# Altium PCB 400389.PcbDoc (part 1 of 8)
Units mm, origin at the board's own origin, x right, y up, seen from the top; angles counter-clockwise.
Board outline 155 x 63.5 mm, 4 copper layers (Top Layer, Mid-Layer 1, Mid-Layer 2, Bottom Layer), stack 1.54 mm thick; 437 components, 325 nets, 2173 pads, 2226 vias.
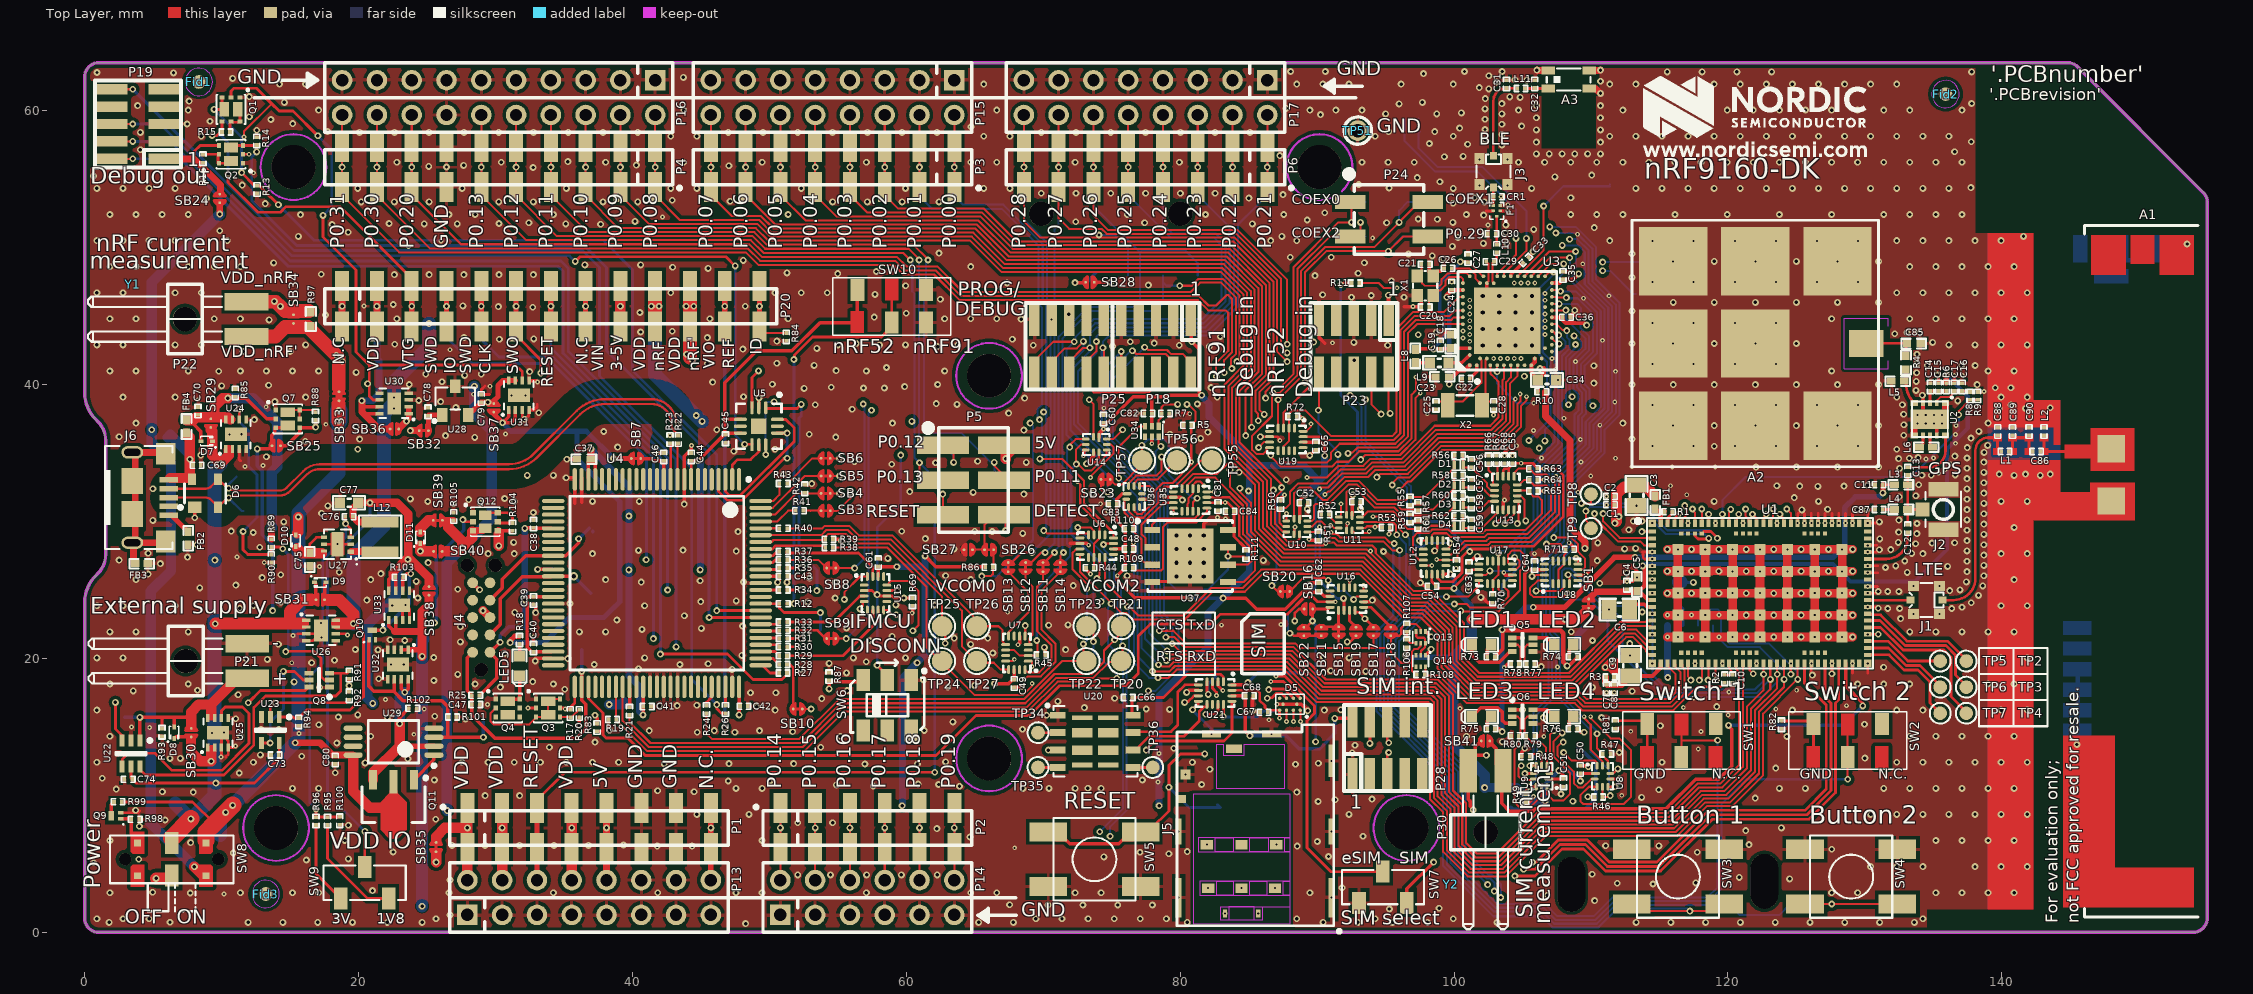
[diagram p0: Top Layer view]
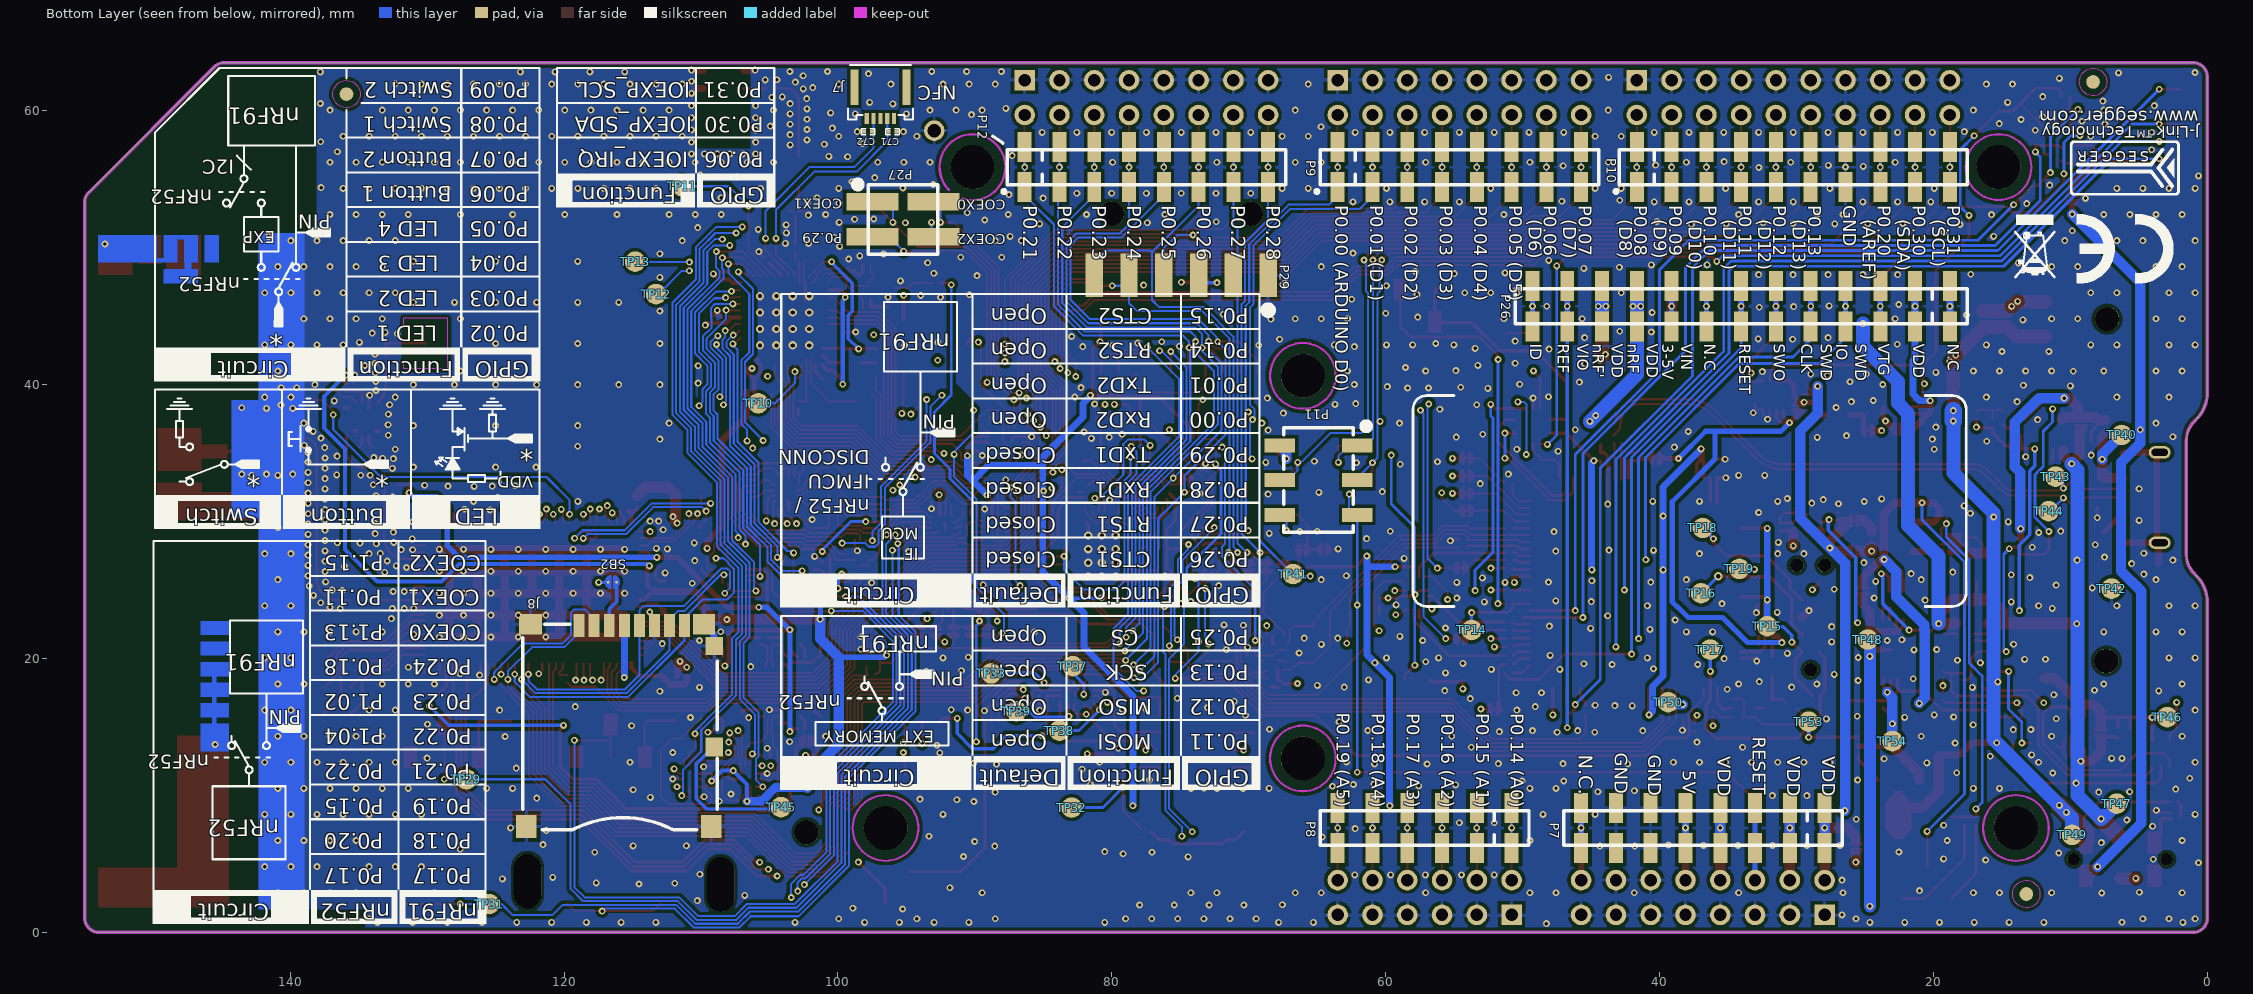
[diagram p1: Bottom Layer view, seen from below]
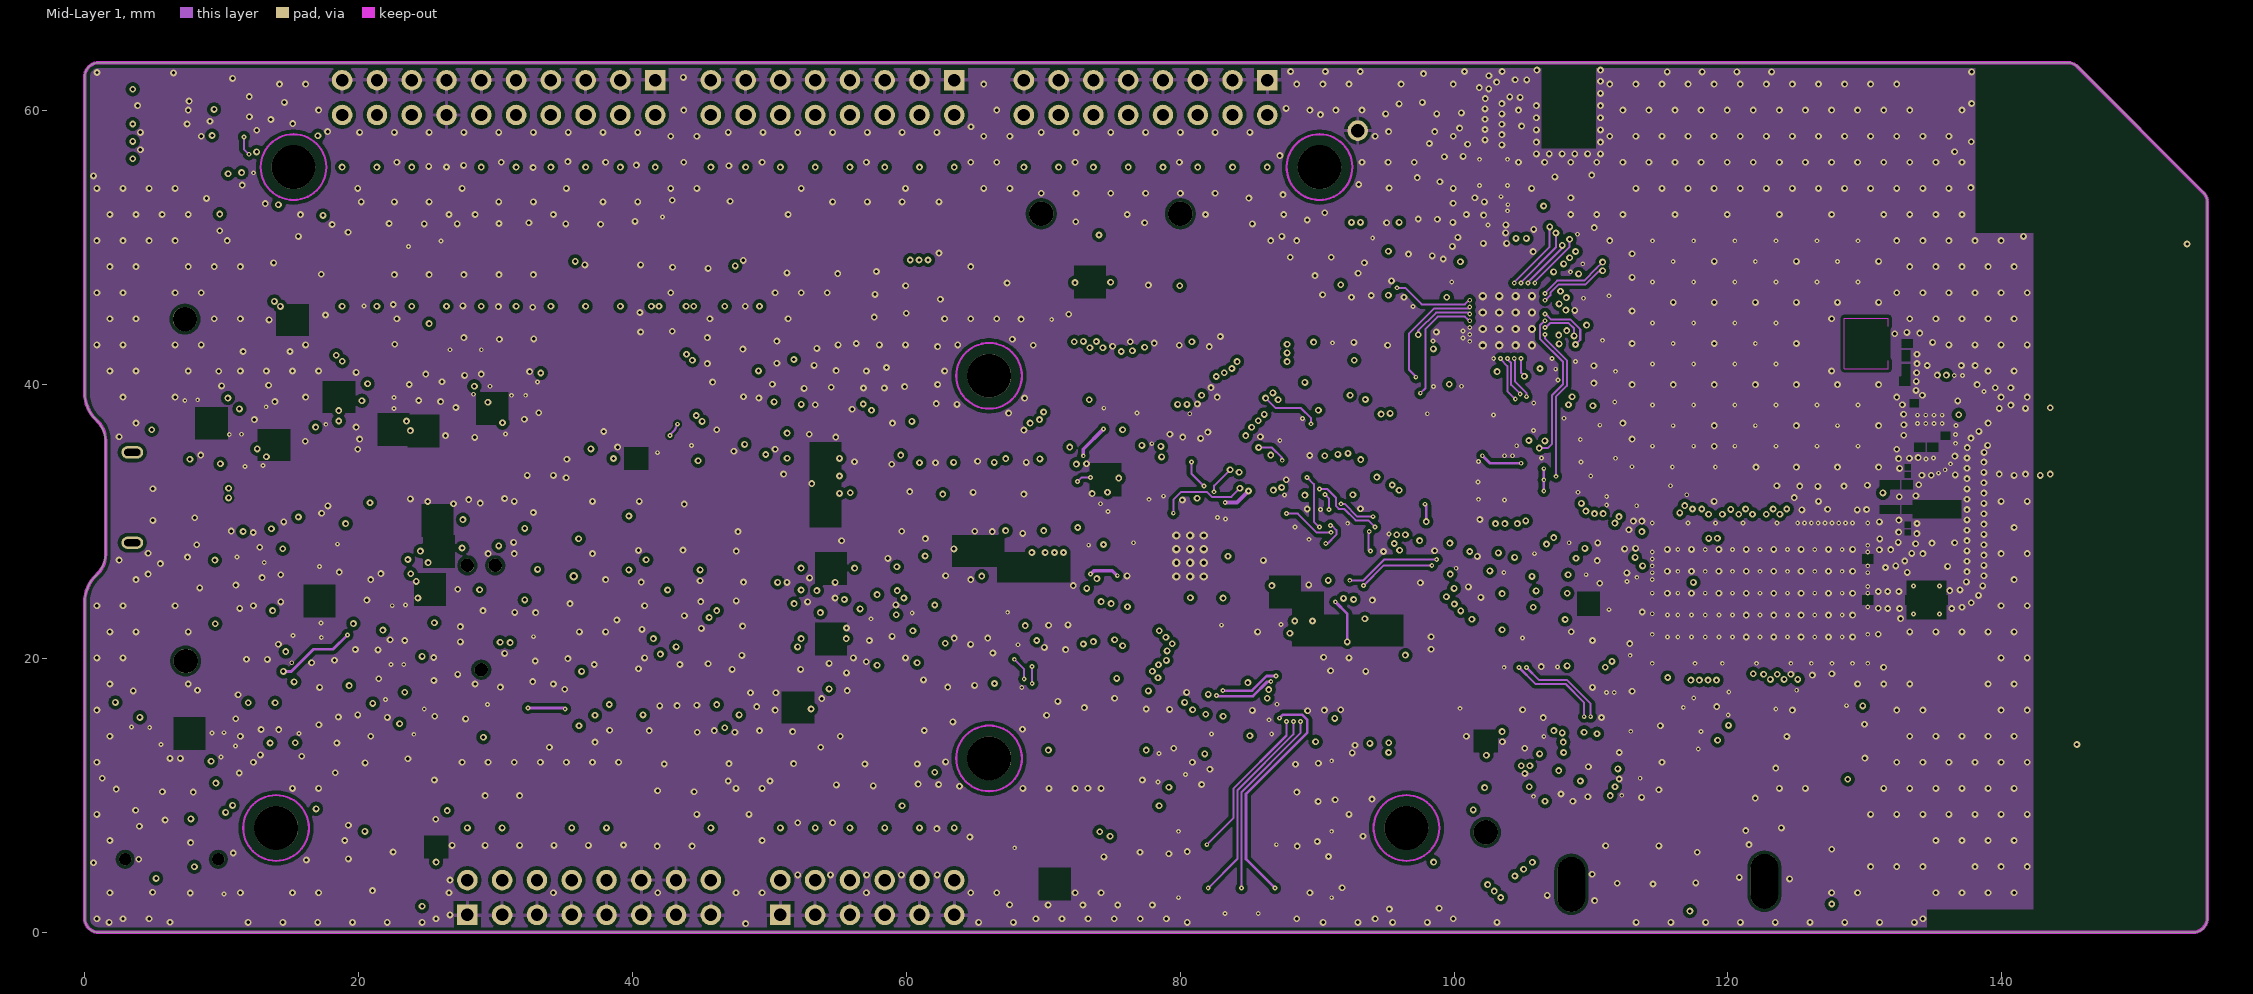
[diagram p2: Mid-Layer 1]
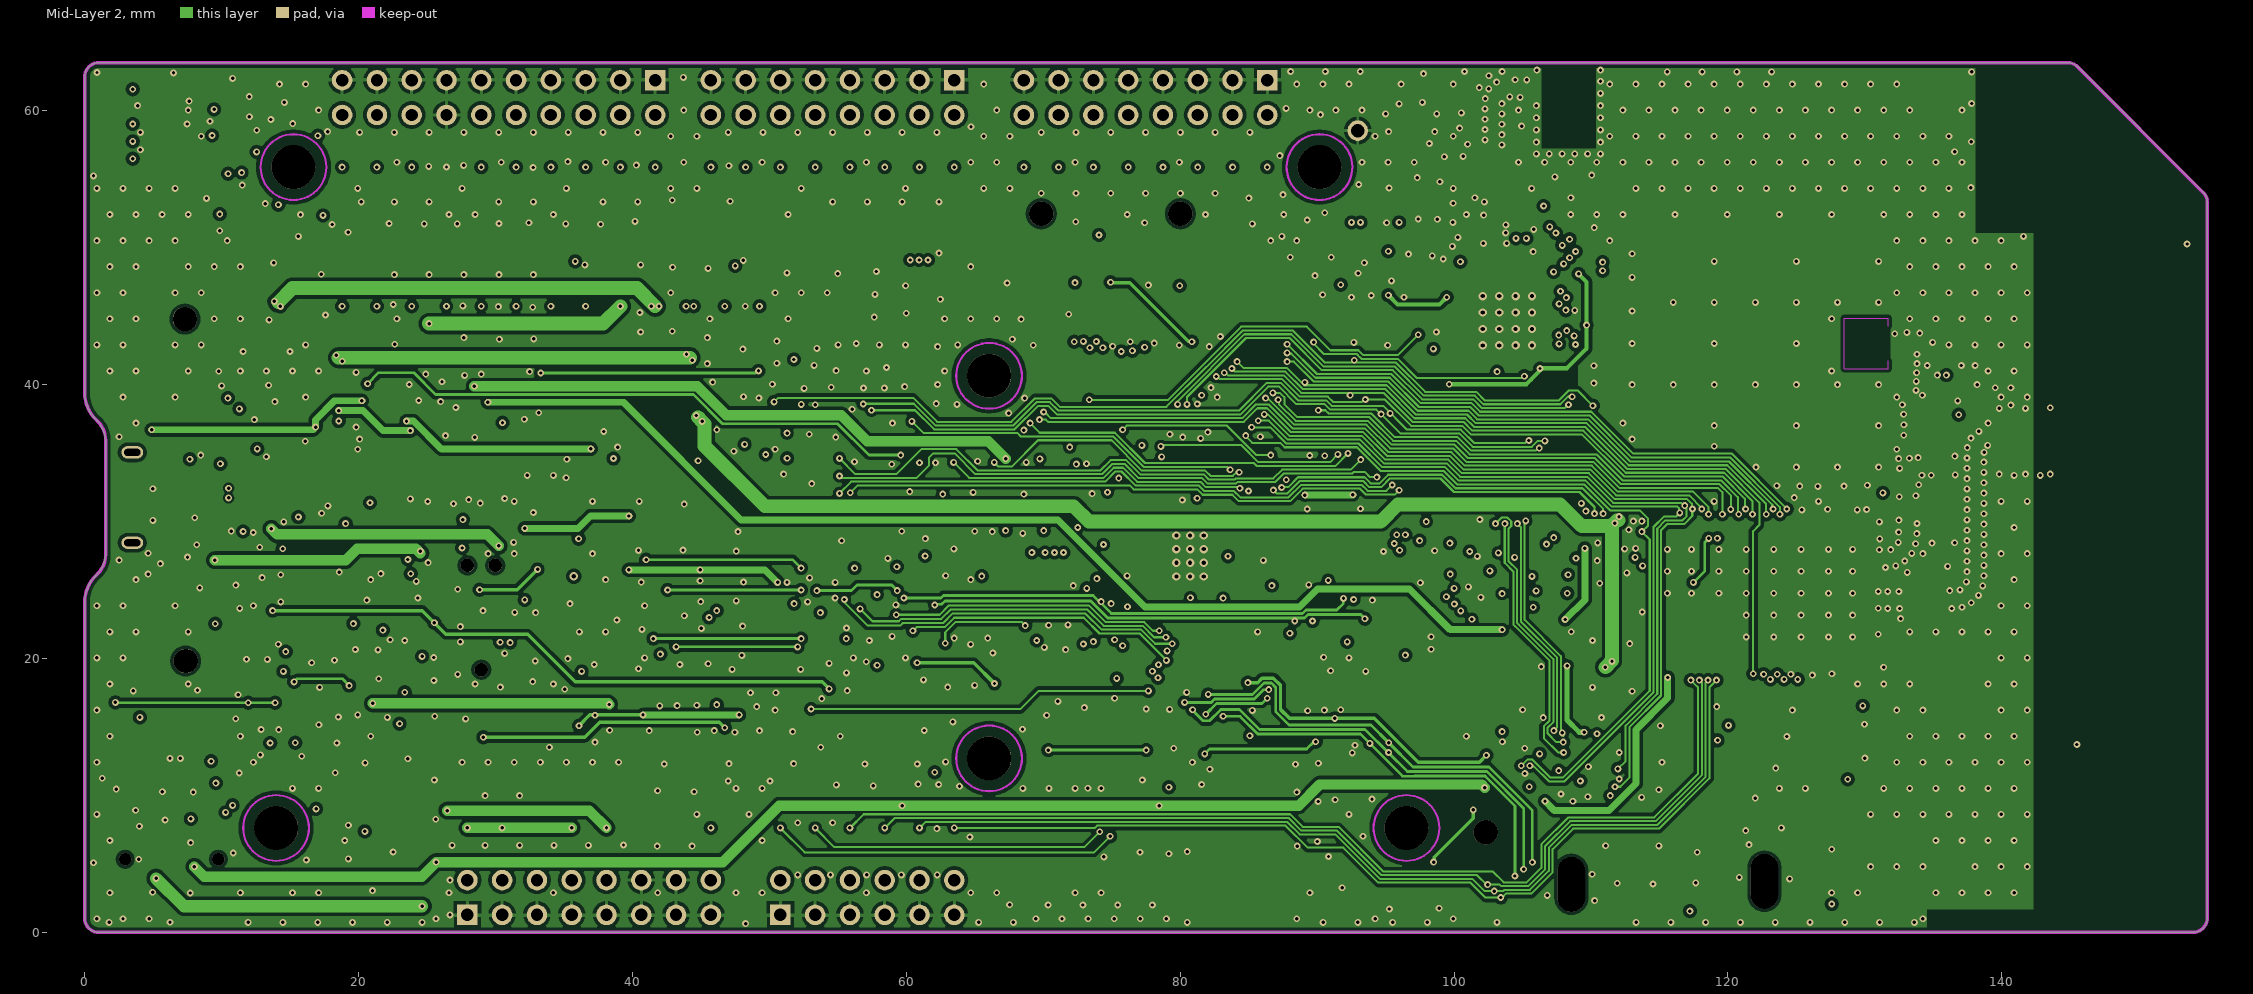
[diagram p3: Mid-Layer 2]
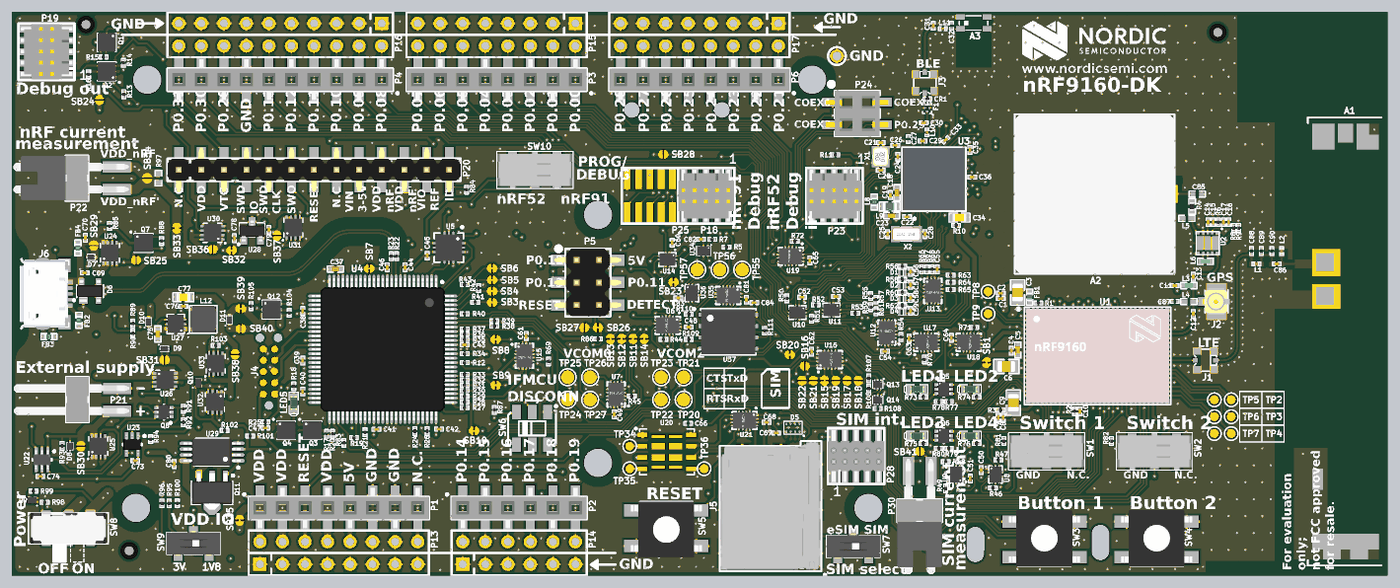
[diagram p11: 3D render of the assembled board from above, using the file's embedded part models]

## Layer stack, top to bottom
Top Solder: solder mask 0.05, Solder Resist, Dk 3.5
Top Layer: signal copper 0.053
Dielectric1: prepreg 0.072, FR-4, Dk 4.18
Mid-Layer 1: signal copper 0.03
Dielectric2: core 1.23, FR-4, Dk 4.74
Mid-Layer 2: signal copper 0.03
Dielectric3: prepreg 0.072, FR-4, Dk 4.18
Bottom Layer: signal copper 0.053
Bottom Solder: solder mask 0.05, Solder Resist, Dk 3.5

## Board outline
0,1 0,24.121 cw(c2.717,24.121) 0.796,26.042 0.962,26.208 ccw(c-0.876,27.751) 1.524,27.751 1.524,35.751 ccw(c-0.876,35.751) 0.962,37.294 0.796,37.46 cw(c2.717,39.381) 0,39.381 0,62.5 cw(c1,62.5) 1,63.5 144.829,63.5 144.829,63.501 cw(c144.829,62.485) 145.547,63.203 145.553,63.209 154.702,54.06 cw(c153.984,53.342) 155,53.342 155,1 cw(c154,1) 154,0 1,0 cw(c1,1)

## Design rules (kind name [scope] priority, off if disabled: settings)
Clearance USB_Poly_Clearance [(InNamedPolygon('Top_Layer-GND')) vs (IsTrack or IsArc) and (InDifferentialPair('D') or InDifferentialPair('USB0'))] p1: gap=1.397 ignorepadtopadclearanceinfootprint=FALSE
Clearance "NPTH clearance" [Not PadIsPlated And HoleSize > 0] p2: gap=0.229 ignorepadtopadclearanceinfootprint=FALSE except(0: Arc-Hole Track-Hole SMDPad-Hole THPad-Hole Via-Hole Fill-Hole Poly-Hole Region-Hole Text-Hole)
Clearance USB_Clearance [(InDifferentialPairClass('All Differential Pairs'))] p3: gap=0.152 ignorepadtopadclearanceinfootprint=FALSE except(0: Arc-Hole Track-Hole SMDPad-Hole THPad-Hole Via-Hole Fill-Hole Poly-Hole Region-Hole Text-Hole)
Clearance ANT_Clerance [InNet('ANT') or InNet('RF')] p4: gap=0.203 ignorepadtopadclearanceinfootprint=FALSE except(0: Arc-Hole Track-Hole SMDPad-Hole THPad-Hole Via-Hole Fill-Hole Poly-Hole Region-Hole Text-Hole)
Clearance Polygon_Clearance [(InNamedPolygon('Top_Layer-GND')) or (InNamedPolygon('Bottom_Layer-GND')) or (InNamedPolygon('Mid_Layer_1-GND')) or (InNamedPolygon('Mid_Layer_2-GND'))] p5: gap=0.254 ignorepadtopadclearanceinfootprint=FALSE except(0: Arc-Hole Track-Hole SMDPad-Hole THPad-Hole Via-Hole Fill-Hole Poly-Hole Region-Hole Text-Hole)
Clearance SB_Clearance [HasFootprint('Solderbridge') or HasFootprint('QFN40P180X140X55-10N')] p6: gap=0.127 ignorepadtopadclearanceinfootprint=FALSE except(0: Arc-Hole Track-Hole SMDPad-Hole THPad-Hole Via-Hole Fill-Hole Poly-Hole Region-Hole Text-Hole)
Clearance CSP_Clearance [HasFootprint('BGA4C40P2X2_76X76X62')] p7: gap=0.127 ignorepadtopadclearanceinfootprint=FALSE except(0: Arc-Hole Track-Hole SMDPad-Hole THPad-Hole Via-Hole Fill-Hole Poly-Hole Region-Hole Text-Hole)
Clearance P23_Clearance [HasFootprint('FPC_05P-0.5mm-RA-SMD')] p8: gap=0.127 ignorepadtopadclearanceinfootprint=FALSE except(0: Arc-Hole Track-Hole SMDPad-Hole THPad-Hole Via-Hole Fill-Hole Poly-Hole Region-Hole Text-Hole)
Clearance PSON35P100X50-8N_Clearance [HasFootprint('PSON35P100X50-8N')] p9: gap=0.15 ignorepadtopadclearanceinfootprint=FALSE except(0: Arc-Hole Track-Hole SMDPad-Hole THPad-Hole Via-Hole Fill-Hole Poly-Hole Region-Hole Text-Hole)
Clearance Top_layer_Clearance [All vs OnLayer('Top Layer')] p10: gap=0.125 ignorepadtopadclearanceinfootprint=FALSE
Clearance [All] p11: gap=0.125 ignorepadtopadclearanceinfootprint=FALSE
ComponentClearance [All] p1 off: gap=0.254 collisioncheckmode=3 verticalgap=0.254 showdistances=FALSE
DiffPairsRouting [All] p1: maxlimit=0.254 minlimit=0.191 mostfreqgap=0.193 toplayer_minwidth=0.165 toplayer_maxwidth=0.165 toplayer_prefwidth=0.165 midlayer1_minwidth=0.165 midlayer1_maxwidth=0.165 midlayer1_prefwidth=0.165 midlayer2_minwidth=0.165 midlayer2_maxwidth=0.165 midlayer2_prefwidth=0.165 bottomlayer_minwidth=0.165 bottomlayer_maxwidth=0.165 bottomlayer_prefwidth=0.165 maxuncoupledlength=12.7
FabricationTestPointUsage TestPointUsage [All] p1: valid=0 allowmultiple=FALSE
FabricationTestpoint Testpoint [All] p1: side=3 testpointundercomponent=TRUE minsize=1.016 maxsize=2.54 preferedsize=1.524 minholesize=0 maxholesize=1.016 preferedholesize=0.813 testpointgrid=0.025 allowsidetop=TRUE allowsidebottom=TRUE usegrid=TRUE gridtolerance=0
Height [All] p1 off: minheight=0 maxheight=25.4 prefheight=12.7
HoleSize [All] p1: absolutevalues=TRUE maxlimit=5 minlimit=0.15 maxpercent=80.000 minpercent=20.000
MinimumAnnularRing [All] p1 off: minimumring=0.152
MinimumSolderMaskSliver [All] p1: minsoldermaskwidth=0.05
NetAntennae NetAntennae_ANT [InNet('ANT')] p1: netantennaetolerance=40
NetAntennae [All] p2: netantennaetolerance=0
PolygonConnect PolygonConnect_1 [isVia and innet(gnd) or isVia and innet('VDD') or HasFootprint('COAXIAL-SWF') or isVia and innet('VDD_SAM') or InComponent('R80') or HasFootprint('COAXIAL RF U.FL-R-SMT-1')  or HasFootprint('DSGP.1575.18')] p1: connectstyle=Direct reliefconductorwidth=0.254 reliefentries=4 polygonreliefangle="90 Angle" airgapwidth=0.254
PolygonConnect [All] p2: connectstyle=Relief reliefconductorwidth=0.254 reliefentries=4 polygonreliefangle="90 Angle" airgapwidth=0.254
RoutingVias [All] p1: holewidth=0.25 width=0.5 viastyle="Through Hole" minholewidth=0.15 minwidth=0.35 maxholewidth=0.305 maxwidth=0.61
ShortCircuit ShortCircuit_1 [InRegionRelative(5776, 1866, 5876, 2006)] p1: allowed=TRUE
ShortCircuit [All] p2: allowed=FALSE
SilkToSolderMaskClearance SilkscreenOverComponentPads [IsPad] p1: minsilkscreentomaskgap=0.254 clearancetoexposedcopper=TRUE
SolderMaskExpansion SolderMaskExpansion_Via [IsVia] p1: expansion=0.102 istentingtop=FALSE
SolderMaskExpansion [All] p2: expansion=0.076 istentingtop=FALSE
UnpouredPolygon [All] p1 off:
Width Width_Diff [(InDifferentialPairClass('All Differential Pairs'))] p1: maxlimit=0.165 minlimit=0.165 preferedwidth=0.165
Width Width_GPIO [InNetClass('GPIO') or InNetClass('COEX') or InNetClass('SWD') or InNetClass('UART')] p2: maxlimit=0.152 minlimit=0.15 preferedwidth=0.15 minimp=50.000000 maximp=50.000000 favimp=50.000000
Width [All] p3: maxlimit=2.54 minlimit=0.145 preferedwidth=0.15 midlayer1_minwidth=0.15 midlayer2_minwidth=0.15 bottomlayer_minwidth=0.15 minimp=50.000000 maximp=50.000000 favimp=50.000000
19 further rules are at their usual default settings.

## Classes and differential pairs
net class UART: VCOM0_CTS VCOM0_RTS VCOM0_RxD VCOM0_TxD VCOM1_CTS VCOM1_RTS VCOM1_RxD VCOM1_TxD VCOM2_CTS VCOM2_RTS VCOM2_RxD VCOM2_TxD
net class SWD: nRF52_P0.18/RESET nRF52_P1.00 nRF52_SWDCLK nRF52_SWDIO P0.22 RESET SWDCLK SWDIO
net class COEX: COEX1 COEX2 GPS_EN
net class GPIO: BTN1_EXT BTN2_EXT BUTTON1 BUTTON2 COEX1 COEX2 EXT_MEM_C\S\ EXT_MEM_MISO EXT_MEM_R\E\S\E\T\ EXT_MEM_W\P\ GPS_EN IOEXP_EN LED1_EXT LED2_EXT LED3_EXT LED4_EXT NetC56_1 NetC57_2 NetC58_2 NetC59_2 NetQ5_2 NetQ5_5 NetQ6_2 NetQ6_5 nRF52_P0.02/AIN0 nRF52_P0.03/AIN1 nRF52_P0.05/AIN3 nRF52_P0.06 nRF52_P0.07 nRF52_P0.08 nRF52_P0.09/NFC1 nRF52_P0.10/NFC2 nRF52_P0.11 nRF52_P0.13 nRF52_P0.15 nRF52_P0.16 nRF52_P0.17 nRF52_P0.18/RESET nRF52_P0.19 nRF52_P0.20 nRF52_P0.22 nRF52_P0.24 nRF52_P0.26 nRF52_P1.01 nRF52_P1.02 nRF52_P1.03 nRF52_P1.04 nRF52_P1.05 nRF52_P1.07 nRF52_P1.08 nRF52_P1.09 nRF52_P1.10 nRF52_P1.11 nRF52_P1.12 nRF52_P1.13 nRF52_P1.14 nRF52_P1.15 P0.00 P0.01 P0.02 P0.03 P0.04 P0.05 P0.06 P0.07 P0.08 P0.09 P0.10 P0.11 P0.12 P0.13/AIN0 P0.14/AIN1 P0.15/AIN2 P0.16/AIN3 P0.17/AIN4 P0.18/AIN5 P0.19/AIN6 P0.20/AIN7 P0.21 P0.22 P0.23 P0.24 P0.25 P0.26 P0.27 P0.28 P0.29 P0.30 P0.31 SW1_EXT SW2_EXT SWITCH1 SWITCH2
differential pair USB0: +USB0_P -USB0_N
differential pair D: +D_P -D_N

## Components (designator, comment, footprint, x,y, rotation, side; value= is the part's Value field where it differs from the comment)
A1 "P822601" P822601 150.28,26.417 r270 top
A2 "DSGP.1575.18" DSGP.1575.18 122,43 r90 top
A3 "2450AT18D0100" 2450AT18D0100_STD-L 108.366,62.279 r0 top
C1 "15pF" CAPC0603X03L_C 111.43,31.217 r180 top
C2 "100nF" CAPC0603X03L_C 111.43,31.826 r180 top
C3 "47µF" CAPC2012X11L 113.335,31.902 r270 top
C4 "100nF" CAPC0603X03L_C 112.619,25.343 r90 top
C5 "4.7µF" CAPC1005X04L 113.347,25.426 r90 top
C6 "4.7µF" CAPC2012X11L 112.065,23.56 r180 top
C7 "15pF" CAPC0603X03L_C 111.136,17.792 r270 top
C8 "100nF" CAPC0603X03L_C 111.696,17.792 r270 top
C9 "47µF" CAPC2012X11L 112.861,19.478 r90 top
C10 "100nF" CAPC0603X03L_C 120.345,18.517 r270 top
C11 "39pF" CAPC0603X03L_C 131.03,32.68 r0 top
C12 "39pF" CAPC0603X03L_C 133.13,29.48 r270 top
C13 "39pF" CAPC0603X03L_C 133.13,33.682 r270 top
C14 "100pF" CAPC0603X03L_C 134.8,39.822 r270 top
C15 "100nF" CAPC0603X03L_C 135.375,39.822 r270 top
C16 "100nF" CAPC0603X03L_C 137.1,39.822 r270 top
C17 "100pF" CAPC0603X03L_C 136.525,39.822 r270 top
C18 "1.0µF" CAPC1005X04L 99.735,43.162 r270 top
C19 "47nF" CAPC0603X03L_C 98.998,42.883 r270 top
C20 "12pF" CAPC0603X03L_C 97.892,45.669 r180 top
C21 "12pF" CAPC0603X03L_C 97.892,48.793 r0 top
C22 "100nF" CAPC0603X03L_C 100.863,40.437 r0 top
C23 "1.0µF" CAPC1005X04L 99.136,40.564 r0 top
C24 "100nF" CAPC0603X03L_C 99.83,47.201 r270 top
C25 "12pF" CAPC0603X03L_C 98.679,38.481 r90 top
C26 "100pF" CAPC0603X03L_C 99.543,48.489 r180 top
C27 "N.C." CAPC0603X03L_C_NC 101.016,49.2 r270 top
C28 "12pF" CAPC0603X03L_C 102.895,38.481 r270 top
C29 "1.0pF" CAPC0603X03L_C 102.624,48.979 r0 top
C30 "1.0pF" CAPC0603X03L_C 102.751,51.011 r0 top
C31 "1.5pF" CAPC0603X03L_C 103.825,61.952 r90 top
C32 "N.C." CAPC0603X03L_C_NC 105.897,61.952 r270 top
C33 "820pF" CAPC0603X03L_C 105.234,49.102 r225 top
C34 "4.7µF" CAPC1608X06L 106.778,40.343 r180 top
C35 "100nF" CAPC0603X03L_C 107.958,47.963 r270 top
C36 "100nF" CAPC0603X03L_C 108.212,44.915 r180 top
C37 "4.7µF" CAPC1005X04L 36.449,34.545 r180 top
C38 "100nF" CAPC0603X03L_C 32.766,29.819 r270 top
C39 "100nF" CAPC0603X03L_C 32.766,24.231 r90 top
C40 "100nF" CAPC0603X03L_C 32.766,20.751 r90 top
C41 "100nF" CAPC0603X03L_C 41.072,16.484 r180 top
C42 "100nF" CAPC0603X03L_C 48.133,16.511 r180 top
C43 "100nF" CAPC0603X03L_C 51.007,26.001 r180 top
C44 "100nF" CAPC0603X03L_C 44.283,34.725 r270 top
C45 "100nF" CAPC0603X03L_C 46.787,36.044 r270 top
C46 "100nF" CAPC0603X03L_C 42.283,34.725 r90 top
C47 "10nF" CAPC0603X03L_C 28.55,16.637 r180 top
C48 "100nF" CAPC0603X03L_C 76.27,28 r0 top
C49 "100nF" CAPC0603X03L_C 67.872,18.168 r270 top
C50 "100nF" CAPC0603X03L_C 109.221,11.887 r90 top
C51 "100nF" CAPC0603X03L_C 107.984,10.926 r270 top
C52 "100nF" CAPC0603X03L_C 89.027,31.369 r0 top
C53 "100nF" CAPC0603X03L_C 92.862,31.445 r0 top
C54 "100nF" CAPC0603X03L_C 98.374,25.273 r0 top
C55 "100nF" CAPC0603X03L_C 104.267,34.519 r270 top
C56 "1.0µF" CAPC0603X03L_C 101.27,34.239 r90 top
C57 "1.0µF" CAPC0603X03L_C 101.27,32.766 r270 top
C58 "1.0µF" CAPC0603X03L_C 101.27,31.293 r270 top
C59 "1.0µF" CAPC0603X03L_C 101.27,29.82 r270 top
C60 "100nF" CAPC0603X03L_C 74.397,37.49 r90 top
C61 "100nF" CAPC0603X03L_C 57.946,26.998 r90 top
C62 "100nF" CAPC0603X03L_C 90.112,25.227 r90 top
C63 "100nF" CAPC0603X03L_C 101.092,26.695 r90 top
C64 "100nF" CAPC0603X03L_C 105.867,26.789 r90 top
C65 "100nF" CAPC0603X03L_C 89.908,35.504 r270 top
C66 "N.C." CAPC0603X03L_C_NC 76.2,17.146 r0 top
C67 "10nF" CAPC0603X03L_C 86.106,16.077 r180 top
C68 "100nF" CAPC0603X03L_C 85.045,17.274 r180 top
C69 "10nF" CAPC0603X03L_C 8.192,34.113 r180 top
C70 "100nF" CAPC0603X03L_C 8.268,38.076 r270 top
C71 "N.C." CAPC0603X03L_C_NC 96.012,58.472 r180 bottom
C72 "N.C." CAPC0603X03L_C_NC 97.79,58.472 r180 bottom
C73 "100nF" CAPC0603X03L_C 13.889,12.943 r180 top
C74 "100nF" CAPC0603X03L_C 3.175,11.177 r0 top
C75 "4.7µF" CAPC1005X04L 16.436,27.227 r90 top
C76 "100pF" CAPC0603X03L_C 19.304,30.354 r0 top
C77 "10µF" CAPC1608X06L 19.304,31.37 r0 top
C78 "1.0µF" CAPC0603X03L_C 25.07,38.019 r90 top
C79 "1.0µF" CAPC0603X03L_C 28.956,38.99 r90 top
C80 "100nF" CAPC0603X03L_C 18.288,12.574 r90 top
C81 "100nF" CAPC0603X03L_C 82.753,31.09 r270 top
C82 "100nF" CAPC0603X03L_C 77.648,37.897 r180 top
C83 "100nF" CAPC0603X03L_C 75.082,31.293 r180 top
C84 "100nF" CAPC0603X03L_C 83.642,30.759 r0 top
C85 "N.C." CAPC1005X04L_NC 133.575,43 r0 top
C86 "3.5pF" CAPC0603X03L_C 142.545,35.117 r0 top
C87 "N.C." CAPC0603X03L_C_NC 131.03,30.88 r0 top
C88 "N.C." CAPC0603X03L_C_NC 139.7,36.577 r270 top
C89 "N.C." CAPC0603X03L_C_NC 140.784,36.577 r270 top
C90 "N.C." CAPC0603X03L_C_NC 141.986,36.577 r270 top
CR1 "EZA-EG1N50AC" RESC0603X03L_C 103.158,53.723 r180 top
D1 "CFSH05-20L" SODFL35X40-2N 100.33,34.112 r0 top
D2 "CFSH05-20L" SODFL35X40-2N 100.33,32.639 r0 top
D3 "CFSH05-20L" SODFL35X40-2N 100.33,31.166 r0 top
D4 "CFSH05-20L" SODFL35X40-2N 100.33,29.693 r0 top
D5 "CM1402" CM1402 88.011,16.656 r180 top
D6 "PRTR5V0U2X" SOT190P230X110-4L 8.785,32.058 r90 top locked
D7 "NSR0620P2T5G" SODFL100X40-2N 8.903,35.866 r180 top
D8 "NSR0620P2T5G" SODFL100X40-2N 6.528,14.581 r90 top
D9 "NSR0620P2T5G" SODFL100X40-2N 17.196,25.553 r0 top
D10 "NSR0620P2T5G" SODFL100X40-2N 15.392,28.601 r90 top
D11 "NSR0620P2T5G" SODFL100X40-2N 24.511,28.83 r90 top
F1 "SAFFB2G45MA0F0A" SAFFB2G45MA0F0A 103.123,52.687 r90 top
FB1 "120R/0.7A" INDC1005X04L 114.681,31.394 r270 top
FB2 "120R/0.55A" INDC1005X04L 7.546,28.78 r270 top
FB3 "120R/0.55A" INDC1005X04L 4.153,26.925 r0 top
FB4 "120R/0.55A" INDC1005X04L 7.43,36.933 r90 top
Fid1 "Fiducial mark" Fiducial 8.335,62.104 r0 top value=N.A.
Fid2 "Fiducial mark" Fiducial 135.89,61.214 r0 top value=N.A.
Fid3 "Fiducial mark" Fiducial 13.208,2.795 r0 top value=N.A.
J1 "MM8130-2600" COAXIAL-SWF 134.5,24.264 r90 top
J2 "MHF I Receptacle" "COAXIAL RF U.FL-R-SMT-1" 135.73,30.88 r270 top
J3 "MM8130-2600" COAXIAL-SWF 102.873,55.551 r180 top
J4 "TC2050-IDC" TC2050-IDC-NLFP 28.956,22.988 r90 top
J5 "SF72S006VBAR2500" SF72S006VBAR2500 91.059,0.627 r0 top locked
J6 "MicroUSB-B" USB-Micro-B-RA-SMD-PiP 6.143,31.751 r0 top
J7 "FPC 0.5mm RA SMD" FPC_05P-0.5mm-RA-SMD 95.896,59.423 r0 bottom
J8 "microSD Card Connector" Molex_502774-0891 110,22.5 r0 bottom locked
L1 "1.5nH" INDC0603X03L_C 140.233,35.117 r0 top
L2 "22nH" INDC0603X03L_C 143.084,36.573 r270 top
L3 "68nH" INDC1005X04L_WW 132.63,32.68 r0 top
L4 "N.C." INDC1005X04L_NC 132.63,30.88 r180 top
L5 "N.C." INDC1005X04L_NC 132.4,40.25 r180 top
L6 "9.1nH" INDC1005X04L_WW 134.475,35.422 r180 top
L8 "15nH" INDC1005X04L 97.17,42.096 r270 top
L9 "10µH" INDC1608X06L 98.919,41.588 r0 top
L10 "3.9nH" INDC0603X03L_C 103.123,49.936 r90 top
L11 "2.0nH" INDC0603X03L_C 104.9,61.629 r0 top
L12 "4.7µH" TY-NR3015 21.559,28.878 r90 top
LED1 "L0603G" LED_0603_G 102,21 r0 top
LED2 "L0603G" LED_0603_G 108,21 r0 top
LED3 "L0603G" LED_0603_G 102,15.75 r0 top
LED4 "L0603G" LED_0603_G 108,15.75 r0 top
LED5 "L0603G" LED_0603_G 31.75,19.45 r90 top
P1 "Socket 1x8" SOCKET_1x8_SMD 27.94,7.621 r0 top locked
P2 "Socket 1x6" SOCKET_1x6_SMD 50.8,7.621 r0 top locked
P3 "Socket 1x8" SOCKET_1x8_SMD 63.5,55.881 r180 top locked
P4 "Socket 1x10" SOCKET_1x10_SMD 41.656,55.881 r180 top locked
P5 "Pin Hdr 2x3" HDR_2x3-SMD 64.897,33.021 r270 top locked
P6 "Socket 1x8" SOCKET_1x8_SMD 86.36,55.881 r180 top locked
P7 "Pin List 1x8" LIST_1x8_SMD-NC 27.94,7.621 r0 bottom locked
P8 "Pin List 1x6" LIST_1x6_SMD-NC 50.8,7.621 r0 bottom locked
P9 "Pin List 1x8" LIST_1x8_SMD-NC 63.5,55.881 r180 bottom locked